# Altium PCB Final decision V5.PcbDoc (part 1 of 2) (continued)
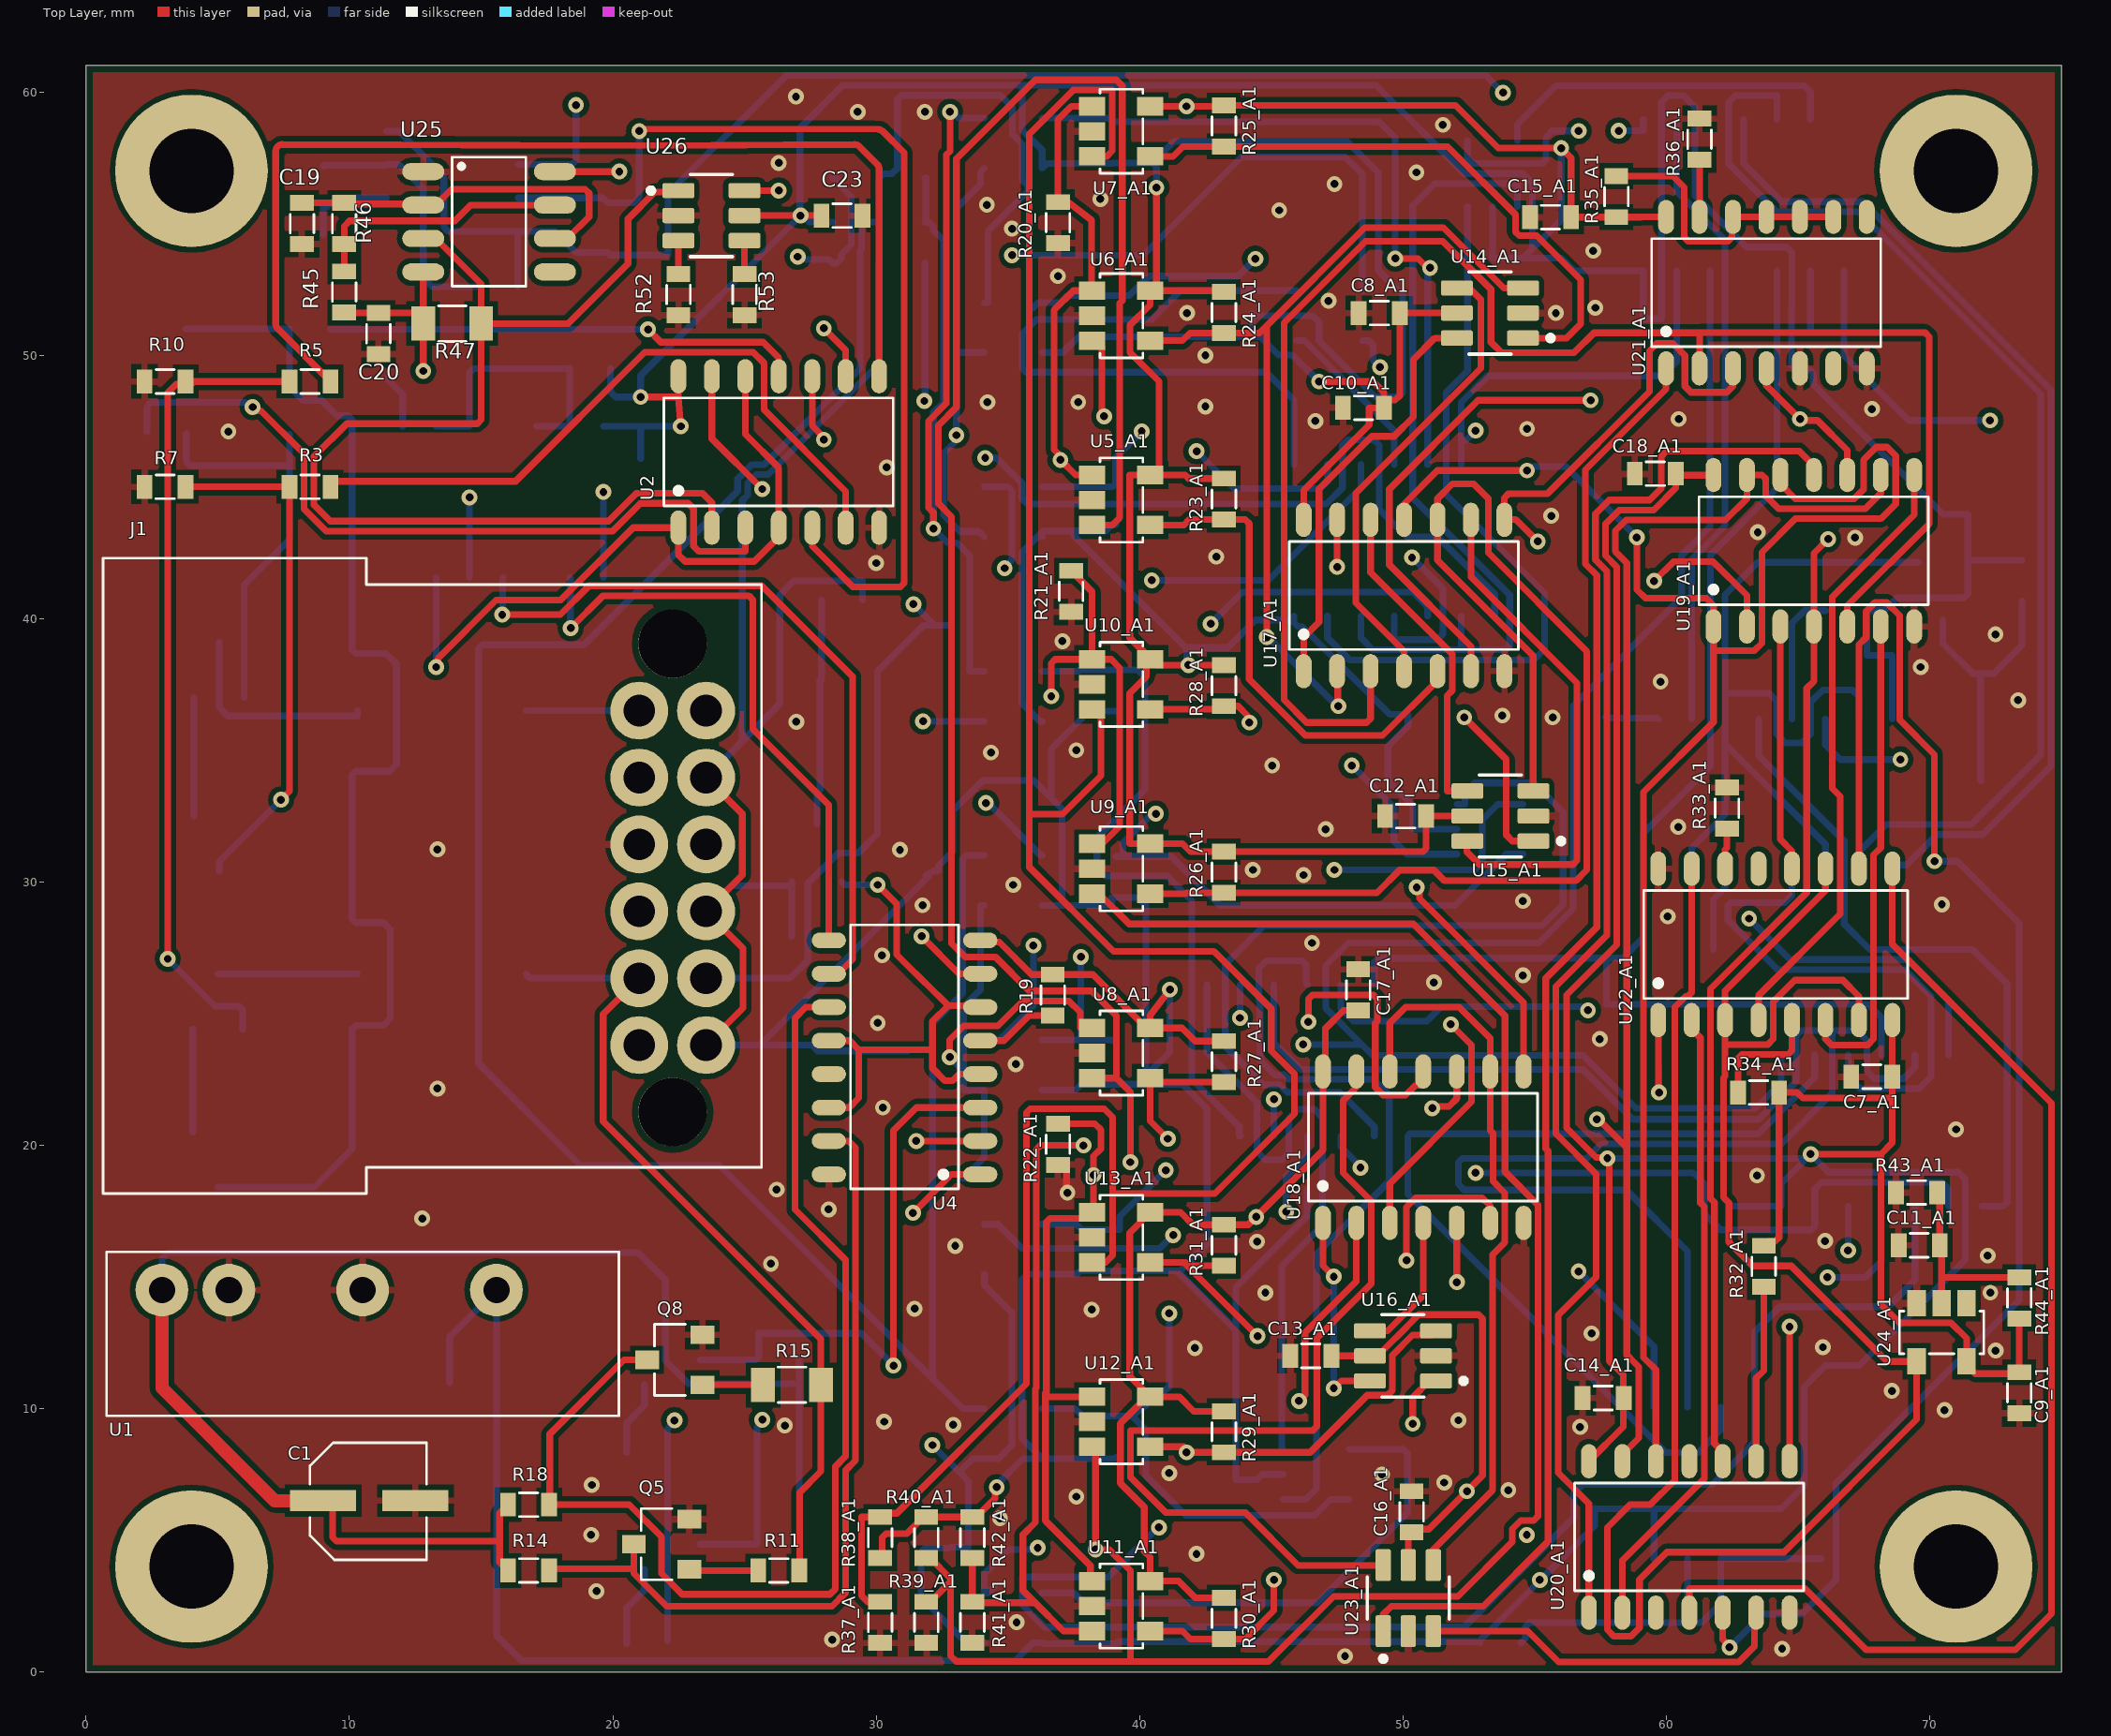
[diagram p0: Top Layer view]
## Part data
C1: library part "Cap Pol 4.7uF", "ECAP SMD,  35V, 105°C", Manufacturer=Epcos, Part Number=B41121A7475M000, ComponentLink1Description=Chip&Dip, ComponentLink1URL=https://www.chipdip.ru/product/b41121a7475m000, Type=Capacitor
C2 C3 C4 C6 C7_A1 C7_A2 C8_A1 C8_A2 C9_A1 C9_A2 C10_A1 C10_A2 C11_A1 C11_A2 C12_A1 C12_A2 C13_A1 C13_A2 C14_A1 C14_A2 C15_A1 C15_A2 C16_A1 C16_A2 C17_A1 C17_A2 C18_A1 C18_A2 C23 C24: library part "Cap 0.1uF (0603)", "0.1uF X7R 16V 10% 0603", Manufacturer="Murata Manufacturing", Part Number=GRM188R71C104KA01D, ComponentLink1Description=Chip&Dip, ComponentLink1URL=https://www.chipdip.ru/product/grm188r71c104ka01d, Type=Capacitor
C5 C19 C21: library part "Cap 4.7uF (0603)", "4.7uF X5R 25V 10% 0603", Manufacturer="Murata Manufacturing", Part Number=GRM188R61E475KE11D, ComponentLink1Description=Chip&Dip, ComponentLink1URL=https://www.chipdip.ru/product0/9000348448, Type=Capacitor
C20 C22: library part "Cap 10nF (0603)", "X7R 10nF 100V 10% 0603", Manufacturer="Murata Manufacturing", Part Number=GRM188R72A103KA01D, ComponentLink1Description=Chip&Dip, ComponentLink1URL=https://www.chipdip.ru/product/grm188r72a103ka01d, Type=Capacitor
D1 D2: library part "Diode (SMC)", "3A 50V, (DO-214AB/SMC)", Manufacturer="Yangzhou Yangjie Electronic Technology", Part Number=GS3A, ComponentLink1Description=DataSheet, ComponentLink1URL=https://static.chipdip.ru/lib/152/DOC001152906.pdf, ComponentLink2Description=Chip&Dip, ComponentLink2URL=https://www.chipdip.ru/product/gs3a, Type=Diode
J1: library part "Conn 12 [Stack64]", "Stac64 Right-Angle Header Assembly, 12 Circuits, Polarization A, Black, Tray / Current - Maximum per Contact 10.0A / Voltage - Maximum 500V", ComponentLink1Description=Molex, ComponentLink1URL=https://www.molex.com/molex/products/part-detail/pcb_headers/0346910120, ComponentLink2Description=DataSheet, ComponentLink2URL=https://www.molex.com/webdocs/datasheets/pdf/en-us/0346910120_PCB_HEADERS.pdf
Q1 Q2 Q3 Q4: "VDS 30V,  VGS Max ± 20V, RDS 27-40mΩ,", Manufacturer="Infineon Technologies", Part Number=IRLML0030TRPBF, ComponentLink1Description=DataSheet, ComponentLink1URL=https://static.chipdip.ru/lib/300/DOC000300382.pdf, ComponentLink2Description=Chip&Dip, ComponentLink2URL=https://www.chipdip.ru/product/irlml0030trpbf, Type=Transistor
Q5 Q6 Q7 Q8: library part "NPN [BC817]", "NPN general-purpose transistors", Manufacturer=Nexperia, Part Number=BC817-40,215, ComponentLink1Description=DataSheet, ComponentLink1URL=https://static.chipdip.ru/lib/156/DOC000156781.pdf, ComponentLink2Description=Chip&Dip, ComponentLink2URL=https://www.chipdip.ru/product/bc817-40, Type=Transistor
R1 R43_A1 R43_A2: library part "Res 1M (0603)", "0.1W 0603 1M, 1%", Manufacturer=Taiwan, Part Number=RC0603FR-071ML, ComponentLink1Description=Chip&Dip, ComponentLink1URL=https://www.chipdip.ru/product0/9000079784, Type=Resistor
R2 R44_A1 R44_A2: library part "Res 100k (0603)", "0.1W 0603 100k, 1%", Manufacturer=Taiwan, Part Number=RC0603FR-07100KL, ComponentLink1Description=Chip&Dip, ComponentLink1URL=https://www.chipdip.ru/product0/9000079760, Type=Resistor
R3 R4 R5 R6 R7 R8 R9 R10 R11 R12 R13 R19 R33_A1 R33_A2 R34_A1 R34_A2 R35_A1 R35_A2 R36_A1 R36_A2 R48_A1 R48_A2 R52 R53 R54 R55: library part "Res 10k (0603)", "0.1W 0603 10k, 1%", Manufacturer=Taiwan, Part Number=RC0603FR-0710KL, ComponentLink1Description=Chip&Dip, ComponentLink1URL=https://www.chipdip.ru/product0/9000079736, Type=Resistor
R14 R16 R17 R18 R20_A1 R20_A2 R21_A1 R21_A2 R22_A1 R22_A2 R32_A1 R32_A2 R38_A1 R38_A2: library part "Res 1k (0603)", "0.1W 0603 1k, 1%", Manufacturer=Taiwan, Part Number=RC0603FR-071KL, ComponentLink1Description=Chip&Dip, ComponentLink1URL=https://www.chipdip.ru/product0/9000079676, Type=Resistor
R15: library part "Res 10k (0805)", "0.125W 0805 10k, 1%", Manufacturer=Taiwan, Part Number=RC0805FR-0710KL, ComponentLink1Description=Chip&Dip, ComponentLink1URL=https://www.chipdip.ru/product0/9000079514, Type=Resistor
R23_A1 R23_A2 R24_A1 R24_A2 R25_A1 R25_A2 R26_A1 R26_A2 R27_A1 R27_A2 R28_A1 R28_A2 R29_A1 R29_A2 R30_A1 R30_A2 R31_A1 R31_A2 R39_A1 R39_A2 R42_A1 R42_A2: library part "Res 3k (0603)", "0.1W 0603 3k, 1%", Manufacturer=Taiwan, Part Number=RC0603FR-073KL, ComponentLink1Description=Chip&Dip, ComponentLink1URL=https://www.chipdip.ru/product0/9000079723, Type=Resistor
R37_A1 R37_A2: library part "Res 3.9k (0603)", "0.1W 0603 3.9k, 1%", Manufacturer=Taiwan, Part Number=RC0603FR-073K9L, ComponentLink1Description=Chip&Dip, ComponentLink1URL=https://www.chipdip.ru/product0/9000079726, Type=Resistor
R40_A1 R40_A2 R41_A1 R41_A2: library part "Res 2k (0603)", "0.1W 0603 2k, 1%", Manufacturer=Taiwan, Part Number=RC0603FR-072KL, ComponentLink1Description=Chip&Dip, ComponentLink1URL=https://www.chipdip.ru/product0/9000079719, Type=Resistor
R45 R49: library part "Res 4.7k (0603)", "0.1W 0603 4.7k, 1%", Manufacturer=Taiwan, Part Number=RC0603FR-074K7L, ComponentLink1Description=Chip&Dip, ComponentLink1URL=https://www.chipdip.ru/product0/9000079728, Type=Resistor
R46 R50: library part "Res 51k (0603)", "0.1W 0603 51k, 1%", Manufacturer=Taiwan, Part Number=RC0603FR-0751KL, ComponentLink1Description=Chip&Dip, ComponentLink1URL=https://www.chipdip.ru/product0/9000079753, Type=Resistor
R47 R51: library part "Res 24k (0805)", "0.125W 0805 24k, 1%", Manufacturer=Taiwan, Part Number=RC0805FR-0724KL, ComponentLink1Description=Chip&Dip, ComponentLink1URL=https://www.chipdip.ru/product0/9000079523, Type=Resistor
U1: library part "DC/DC Isolated 24V-5V [TMH]", "The TMH series are ultra miniature, isolated 2 Watt DC/DC-converters in a Single-in-Line  package  (SIP)", Manufacturer="Traco Power", Part Number=TMH2405S, ComponentLink1Description=Chip&Dip, ComponentLink1URL=https://www.chipdip.ru/product/tmh-2405s, ComponentLink2Description=DataSheet, ComponentLink2URL=https://static.chipdip.ru/lib/005/DOC001005854.pdf, Type=IC
U2 U17_A1 U17_A2 U18_A1 U18_A2: library part 4(2And), "4 logic elements \"2AND\"", Manufacturer="Texas Instruments", Part Number=SN74AC08DR, ComponentLink1Description=DataSheet, ComponentLink1URL=https://static.chipdip.ru/lib/551/DOC001551527.pdf, ComponentLink2Description=Chip&Dip, ComponentLink2URL=https://www.chipdip.ru/product/sn74ac08dr, Type=IC
U3 U24_A1 U24_A2: library part "Schmitt Trigger [NC7SZ]", "The NC7SZ14M5X is a single Inverter with Schmitt-trigger input from ultra-high speed (UHS) series of TinyLogic®. The device is fabricated with advanced CMOS technology to achieve ultra-high speed with high output drive while maintaining low static power dissipation over a very broad VCC operating range. The device is specified to operate over the 1.65 to 5.5V VCC range. The inputs and outputs are high-impedance when VCC is 0V. Inputs tolerate voltages up to 6V independent of VCC operating voltage.", Manufacturer="ON Semiconductor", Part Number=NC7SZ14M5X, ComponentLink1Description=DataSheet, ComponentLink1URL=https://static.chipdip.ru/lib/321/DOC000321280.pdf, ComponentLink2Description=Chip&Dip, ComponentLink2URL=https://www.chipdip.ru/product/nc7sz14m5x, Type=IC
U4 U22_A1 U22_A2: library part "4 RS triggers", "The HEF4043B is a quad R/S latch with 3-state outputs and common output enable input (OE).", ComponentLink1Description=Datasheet, ComponentLink1URL=https://static.chipdip.ru/lib/486/DOC014486419.pdf, ComponentLink2Description=CHIPDIP, ComponentLink2URL=https://www.chipdip.ru/product/hef4043bt-652-nexperia
U5_A1 U5_A2 U6_A1 U6_A2 U7_A1 U7_A2 U8_A1 U8_A2 U9_A1 U9_A2 U10_A1 U10_A2 U11_A1 U11_A2 U12_A1 U12_A2 U13_A1 U13_A2: library part "Comparator [LMV]", "Differential comparator with strobes", Manufacturer="Texas Instruments", Part Number=LMV331M5/NOPB, ComponentLink1Description=DataSheet, ComponentLink1URL=https://static.chipdip.ru/lib/291/DOC000291302.pdf, ComponentLink2Description=Chip&Dip, ComponentLink2URL=https://www.chipdip.ru/product/lmv331m5-nopb, Type=IC
U14_A1 U14_A2 U15_A1 U15_A2 U16_A1 U16_A2 U23_A1 U23_A2 U26: library part "Inverter (SN74)", "Dual inverter, 1.65-5.5V", Manufacturer="Texas Instruments", Part Number=SN74LVC2G04DBVR, ComponentLink1Description=Chip&Dip, ComponentLink1URL=https://www.chipdip.ru/product/sn74lvc2g04dbvr-2, ComponentLink2Description=DataSheet, ComponentLink2URL=https://static.chipdip.ru/lib/021/DOC001021810.pdf, Type=IC
U19_A1 U19_A2: library part 4(2XOR), "4 logic elements \"2XOR\"", Manufacturer=Nexperia, Part Number=74HC86D,653, ComponentLink1Description=Chip&Dip, ComponentLink1URL=https://www.chipdip.ru/product/74hc86d, ComponentLink2Description=DataSheet, ComponentLink2URL=https://ru.mouser.com/datasheet/2/916/74HC_HCT86-1319799.pdf, Type=IC
U20_A1 U20_A2 U28: library part 2(4AND), "2 logic elements \"4AND\"", Manufacturer=Nexperia, Part Number=74HC21D,653, ComponentLink1Description=Chip&Dip, ComponentLink1URL=https://www.chipdip.ru/product/74hc21d.653, ComponentLink2Description=DataSheet, ComponentLink2URL=https://static.chipdip.ru/lib/522/DOC011522559.pdf, Type=IC
U21_A1 U21_A2: library part 2(4NOR), "2 logic elements \"4NOR\"", Manufacturer=Nexperia, Part Number=74HC4002D,652, ComponentLink1Description=Chip&Dip, ComponentLink1URL=https://www.chipdip.ru/product/74hc4002d, ComponentLink2Description=DataSheet, ComponentLink2URL=https://static.chipdip.ru/lib/493/DOC011493188.pdf, Type=IC
U25 U27: "Standard Timer Single 8-Pin PDIP Tube", Case/Package=PDIP, Current Rating=10mA, Frequency=500kHz, High Level Output Current=-200mA, Low Level Output Current=200mA, Manufacturer="Texas Instruments", Max Operating Temperature=70°C, Max Supply Voltage=16V, Min Operating Temperature=0°C, Min Supply Voltage=4.5V, Nominal Supply Current=2mA, Operating Supply Voltage=5V, Package Quantity=50, Quiescent Current=15mA, Category="Clock and Timing", ComponentLink1Description=https://datasheet.ciiva.com/1139/sa555-1139904.pdf?src-supplier=Element14, ComponentLink1URL=https://datasheet.ciiva.com/1139/sa555-1139904.pdf?src-supplier=Element14, ComponentLink2Description=https://datasheet.ciiva.com/19457/904085-19457361.pdf?src-supplier=Jameco, ComponentLink2URL=https://datasheet.ciiva.com/19457/904085-19457361.pdf?src-supplier=Jameco, ComponentLink3Description=https://datasheet.ciiva.com/26325/152184-da-01-en-ne555p-timer-tid-26325915.pdf?src-supplier=Conrad, ComponentLink3URL=https://datasheet.ciiva.com/26325/152184-da-01-en-ne555p-timer-tid-26325915.pdf?src-supplier=Conrad, ComponentLink4Description=https://datasheet.ciiva.com/1147/1764032-1147750.pdf?src-supplier=Newark, ComponentLink4URL=https://datasheet.ciiva.com/1147/1764032-1147750.pdf?src-supplier=Newark, ComponentLink5Description=https://datasheet.ciiva.com/14094/ne555-series-eng-tds-14094950.pdf?src-supplier=Distrelec, ComponentLink5URL=https://datasheet.ciiva.com/14094/ne555-series-eng-tds-14094950.pdf?src-supplier=Distrelec, ComponentLink6Description=https://datasheet.ciiva.com/14274/ne555-14274456.pdf?src-supplier=Avnet, ComponentLink6URL=https://datasheet.ciiva.com/14274/ne555-14274456.pdf?src-supplier=Avnet, ComponentLink7Description=https://datasheet.ciiva.com/15152/getdatasheetpartid-248510-15152620.pdf?src-supplier=Verical, ComponentLink7URL=https://datasheet.ciiva.com/15152/getdatasheetpartid-248510-15152620.pdf?src-supplier=Verical, ComponentLink8Description=https://datasheet.ciiva.com/1233/ne555-1233454.pdf?src-supplier=Digi-Key, ComponentLink8URL=https://datasheet.ciiva.com/1233/ne555-1233454.pdf?src-supplier=Digi-Key, ComponentLink9Description=https://datasheet.ciiva.com/26228/ne555-26228892.pdf?src-supplier=Avnet+Europe, ComponentLink9URL=https://datasheet.ciiva.com/26228/ne555-26228892.pdf?src-supplier=Avnet+Europe, Contact Plating=Gold, Height=4.57mm, Lead Free="Lead Free", Length=9.81mm, Manufacturer Part Number=NE555P, Mount=SMD, Number of Pins=8, Number of Timers/Counters=1, Operating Supply Current=10mA, Packaging=Rail/Tube, Pricing 1="1=0,37000, 10=0,29900, 25=0,27360, 100=0,20350, 250=0,18444, 500=0,15264, 1000=0,11448, 2500=0,10494, 5000=0,10020 (USD)", Radiation Hardening=No, REACH SVHC="No SVHC", RoHS=Yes, RoHS Compliant=Yes, Supplier 1=Digi-Key, Weight=0.015535oz, Width=6.35mm

## Free pads (board coordinates)
  round 5.8 hole 3.2: A(4,4) A(4,57) A(71,4) A(71,57)

## Via types
v1: diameter 0.6, hole 0.3, Top Layer to Bottom Layer, tented both sides, 230 vias

## Nets (pads, with @x,y where several pads share a name; then routed paths per layer and width w, separated by ;. In a path a pad name is that pad's centre, name@x,y a point inside that pad or via, vN(x,y) a via of type N, cw(c..) or ccw(c..) an arc to the next point about the centre after c; other vN are vias at no path point)
2V_A1: R41_A1.2 R42_A1.1 U5_A1.3 U8_A1.3 U11_A1.3 | length 97.8
  Top Layer w0.254: R42_A1.1@33.65,4.32 R41_A1.2@33.65,2.66 33.683,2.627 36.032,2.627 ; v1(37.871,19.99) 36.228,19.99 36.079,19.841 36.079,10.782 36.043,10.746 36.043,5.679 35.568,5.204 35.568,3.09 36.032,2.627 ; U11_A1.3@38.2,1.55 37.109,1.55 36.032,2.627 ; U8_A1.3@38.2,22.55 39.116,22.55 ; U5_A1.3@38.2,43.55 38.97,43.55 39.245,43.825 39.245,51.978 39.343,52.075 39.343,60.228 39.119,60.452 36.043,60.452 33.045,57.455 33.045,48.021 32.365,47.341 32.365,44.362 32.861,43.866 32.861,27.667 33.376,27.153 34.519,27.153 35.814,25.857 38.176,25.857 39.116,24.917 39.116,22.55 ; v1(39.649,19.355) 39.649,22.017 39.116,22.55
  Layer 2 w0.254: v1(37.871,19.99) 39.014,19.99 v1(39.649,19.355)
2V_A2: R41_A2.2 R42_A2.1 U5_A2.3 U8_A2.3 U11_A2.3 | length 105.7
  Top Layer w0.254: v1(32.172,43.413) 32.172,44.019 31.986,44.205 31.986,47.498 32.666,48.178 32.666,57.612 32.8,57.745 v1(32.8,59.241)
  Layer 2 w0.254: v1(32.8,59.241) 41.123,50.918 41.123,39.862 39.954,38.693 39.954,25.324 41.732,23.546 41.732,17.043 v1(41.275,16.586)
  Bottom Layer w0.254: R42_A2.1@31.85,55.06 R42_A2.1@31.868,55.042 ; R41_A2.2@31.85,56.72 R41_A2.2@31.886,56.72 ; v1(32.172,43.413) 32.172,47.825 32.552,48.205 32.552,54.358 32.173,54.737 32.173,54.887 32.018,55.042 R42_A2.1@31.868,55.042 ; v1@32.221,43.397 32.221,43.364 32.715,42.87 33.076,42.87 33.553,42.393 ; v1(32.8,59.241) 32.881,59.241 33.122,59 U11_A2.3@34.1,59 ; U5_A2.3@34.1,17 34.613,17 35.535,16.078 40.767,16.078 v1(41.275,16.586) ; U8_A2.3@34.1,38 33.553,38 ; R42_A2.1@31.868,55.042 R42_A2.1@31.886,55.06 ; R42_A2.1@31.868,55.042 R42_A2.1@31.886,55.06 ; R42_A2.1@31.868,55.042 R42_A2.1@31.886,55.06 ; R42_A2.1@31.886,55.06 R41_A2.2@31.886,56.72 ; R42_A2.1@31.886,55.06 R41_A2.2@31.886,56.72 ; R42_A2.1@31.886,55.06 R41_A2.2@31.886,56.72 ; 33.553,38 33.553,42.393 ; 33.553,38 33.553,42.393 ; 33.553,38 33.553,42.393
3V_A1: R39_A1.2 R40_A1.1 U6_A1.3 U9_A1.3 U12_A1.3 | length 133.1
  Top Layer w0.254: R39_A1.2@31.9,2.66 32.05,2.66 32.403,3.013 32.827,3.437 ; R40_A1.1@31.9,4.32 32.05,4.32 32.827,3.543 32.827,3.437 ; U12_A1.3@38.2,8.55 U12_A1.3@38.329,8.55 ; U9_A1.3@38.2,29.55 38.456,29.55 39.606,28.4 50.391,28.4 53.873,24.917 53.873,18.988 55.132,17.729 55.132,5.919 54.965,5.752 54.471,5.752 54.148,5.429 54.148,4.935 52.081,2.868 47.369,2.868 44.901,0.4 39.648,0.4 ; U6_A1.3@38.2,50.55 38.35,50.55 38.573,50.327 38.573,47.847 38.651,47.769 v1(38.651,47.676) ; 32.827,3.437 32.827,0.611 33.038,0.4 39.648,0.4 ; v1(38.329,4.648) U12_A1.3@38.329,8.55 ; v1(38.329,4.648) U12_A1.3@38.329,8.55 ; v1(38.329,4.648) U12_A1.3@38.329,8.55 ; v1(38.329,4.648) 38.842,4.648 39.648,3.842 39.648,0.4
  Layer 2 w0.254: v1(38.329,4.648) 38.989,5.309 38.989,19.27 38.84,19.419 37.36,19.419 37.211,19.568 37.211,22.174 38.659,23.622 38.659,47.668 v1(38.651,47.676)
3V_A2: R39_A2.2 R40_A2.1 U6_A2.3 U9_A2.3 U12_A2.3 | length 110.5
  Bottom Layer w0.254: U6_A2.3@34.1,10 33.282,10 32.139,11.142 ; U9_A2.3@34.1,31 33.413,31 33.274,30.861 33.274,25.758 32.139,24.624 32.139,11.142 ; U12_A2.3@34.1,52 U12_A2.3@34.239,52 ; 32.139,11.142 24.054,19.228 18.771,19.228 14.9,23.098 14.9,38.851 15.049,39 18.901,39 24.739,44.838 24.739,45.302 25.284,45.848 25.749,45.848 29.388,49.486 29.388,53.975 29.439,54.026 29.439,55.06 R40_A2.1@30.1,55.06 R39_A2.2@30.1,56.72 30.273,56.893 30.601,56.893 30.802,57.094 30.802,59.716 30.951,59.865 34.722,59.865 35.169,59.418 35.169,58.389 35.548,58.01 35.548,56.646 35.757,56.436 35.757,56.226 34.239,54.708 ; U12_A2.3@34.239,52 34.239,54.708 ; U12_A2.3@34.239,52 34.239,54.708 ; U12_A2.3@34.239,52 34.239,54.708
4V_A1: R37_A1.2 R38_A1.2 U7_A1.3 U10_A1.3 U13_A1.3 | length 96.9
  Top Layer w0.254: R37_A1.2@30.15,2.66 29.674,2.66 29.439,2.896 29.439,5.88 R38_A1.2@30.15,5.88 30.295,6.025 30.786,6.025 35.7,10.939 35.7,21.238 35.849,21.387 38.656,21.387 38.981,21.062 38.981,18.161 ; U13_A1.3@38.2,15.55 38.71,15.55 38.981,15.821 38.981,18.161 ; U10_A1.3@38.2,36.55 38.31,36.55 38.533,36.327 38.533,34.033 37.069,32.569 35.816,32.569 ; U7_A1.3@38.2,57.55 38.754,57.55 38.964,57.76 38.964,60.071 37.49,60.071 35.816,58.397 35.816,32.569 ; 35.816,32.569 35.816,30.554 39.014,27.356 42.824,27.356 44.997,25.183 44.997,23.591 45.881,22.707 45.881,21.184 42.858,18.161 38.981,18.161
4V_A2: R37_A2.2 R38_A2.2 U7_A2.3 U10_A2.3 U13_A2.3 | length 75.6
  Layer 2 w0.254: v1(27.02,53.74) 27.027,53.746 30.505,53.746 37.668,46.584 37.668,43.815 35.763,41.91 v1(34.874,41.91) 34.874,37.152 35.966,36.059 v1(35.966,27.584) 35.966,4.971 36.13,4.807 v1(36.13,4.714)
  Bottom Layer w0.254: v1(27.02,53.74) 27.125,53.636 28.215,53.636 R38_A2.2@28.35,53.5 28.5,53.5 28.673,53.673 28.673,53.823 29.052,54.202 29.052,56.018 28.673,56.397 28.673,56.547 28.5,56.72 R37_A2.2@28.35,56.72 ; U10_A2.3@34.1,24 34.668,24 35.966,25.298 v1(35.966,27.584) ; U13_A2.3@34.1,45 35.007,45 35.156,44.851 35.156,42.232 34.874,41.95 v1(34.874,41.91) ; U7_A2.3@34.473,3.223 34.25,3 U7_A2.3@34.1,3 34.1,3.73 35.018,4.647 36.064,4.647 v1(36.13,4.714)
24V: C1.2 J1.12 R14.2 R16.2 R17.2 R18.2 U1.1 | length 80.7
  Top Layer w0.254: C1.2@9,6.5 9.086,6.5 9.359,6.227 9.359,5.11 9.508,4.961 15.675,4.961 15.685,4.951 ; R14.2@16.02,3.85 15.7,4.17 15.7,6.03 R18.2@16.02,6.35
  Top Layer w0.5: U1.1@2.88,14.5 2.88,10.783 7.163,6.5 C1.2@9,6.5
  Layer 1 w0.5: U1.1@2.88,14.5 12.18,23.8 J1.12@21,23.8
  Bottom Layer w0.254: U1.1@2.88,14.5 2.88,15.697 3.109,15.926 20.955,15.926 21.996,14.884 21.996,11.811 22.86,10.947 27.08,10.947 ; R16.2@27.08,4.892 27.08,10.947 ; R17.2@27.08,11.888 27.08,10.947
GND: C1.1 C2.1 C3.1 C4.1 C5.1 C6.1 C7_A1.1 C7_A2.1 C8_A1.1 C8_A2.1 C9_A1.1 C9_A2.1 C10_A1.1 C10_A2.1 C11_A1.1 C11_A2.1 C12_A1.1 C12_A2.1 C13_A1.1 C13_A2.1 C14_A1.1 C14_A2.1 C15_A1.1 C15_A2.1 C16_A1.2 C16_A2.2 C17_A1.1 C17_A2.1 C18_A1.1 C18_A2.1 C19.2 C20.1 C21.2 C22.1 C23.1 C24.1 J1.9 Q1.2 Q3.2 Q5.2 Q6.2 Q7.2 Q8.2 R1.1 R7.1 R8.1 R9.1 R10.1 R20_A1.1 R20_A2.1 R21_A1.1 R21_A2.1 R22_A1.1 R22_A2.1 R33_A1.2 R33_A2.2 R36_A1.2 R36_A2.2 R37_A1.1 R37_A2.1 R39_A1.1 R39_A2.1 R41_A1.1 R41_A2.1 R43_A1.1 R43_A2.1 R48_A1.2 R48_A2.2 R52.1 R53.2 R55.2 U1.2 U1.4 U2.7 U3.3 U4.16 U5_A1.2 U5_A2.2 U6_A1.2 U6_A2.2 U7_A1.2 U7_A2.2 U8_A1.2 U8_A2.2 U9_A1.2 U9_A2.2 U10_A1.2 U10_A2.2 U11_A1.2 U11_A2.2 U12_A1.2 U12_A2.2 U13_A1.2 U13_A2.2 U14_A1.2 U14_A2.2 U15_A1.2 U15_A2.2 U16_A1.2 U16_A2.2 U17_A1.7 U17_A2.7 U18_A1.7 U18_A2.7 U19_A1.7 U19_A2.7 U20_A1.7 U20_A2.7 U21_A1.5 U21_A1.7 U21_A2.5 U21_A2.7 U22_A1.16 U22_A2.16 U23_A1.2 U23_A2.2 U24_A1.3 U24_A2.3 U25.1 U26.2 U27.1 U28.7 | length 1.3
  Top Layer w0.254: R22_A1.1@36.9,19.252 37.05,19.252 37.223,19.08 37.223,18.236 v1(37.261,18.198)
  other v1: 47.8,0.6 64.395,0.879 28.323,1.227 35.33,1.883 19.38,3.067 42.162,4.484 19.175,5.208 54.7,5.2 34.7,5.835 37.6,6.655 54,6.9 19.2,7.1 51.566,7.188 49.2,7.5 41.123,7.55 56.727,9.3 26.528,9.357 32.927,9.378 30.3,9.5 52.105,9.555 70.562,9.942 68.561,10.673 72.5,12.2 42.1,12.3 65.943,12.329 57.16,12.853 38.182,13.756 31.457,13.791 44.775,14.398 72.3,14.4 26,15.5 72.2,15.807 33,16.177 44.46,16.34 66.03,16.362 12.761,17.217 28.191,17.562 26.219,18.317 63.444,18.85 71,20.6 30.251,21.43 13.342,22.15 35.3,23.075 57.469,24.03 30.055,24.642 51.173,26.18 54.555,26.45 30.222,27.211 46.546,27.679 60.051,28.683 31.759,29.111 70.46,29.141 54.555,29.273 35.2,29.887 46.223,30.26 44.3,30.455 30.9,31.217 13.342,31.233 47.067,32 60.45,32.087 45.034,34.417 34.354,34.912 37.6,35 26.967,36.078 55.684,36.246 53.772,36.315 73.355,36.895 59.778,37.601 69.654,38.157 37.069,39.141 72.499,39.396 30,42.105 42.911,42.347 67.167,43.073 63.471,43.273 55.628,43.9 30.4,45.741 5.4,47.1 54.712,47.2 46.674,47.5 60.47,47.574 67.805,47.956 42.498,48.053 34.226,48.218 37.668,48.218 42.498,49.987 41.803,51.6 55.804,51.6 57.3,51.8 47.173,52.065 36.9,53 57.223,53.96 35.156,54.803 45.3,55.5 34.199,55.71 38.51,55.93 47.4,56.5 50.512,56.941 26.3,57.3 51.511,58.747 29.293,59.241 31.85,59.241 26.952,59.819
GREEN_1: U2.10 U18_A1.8 | length 42.6
  Top Layer w0.254: U2.10@27.57,49.2 27.57,47.315 28.011,46.875 v1(28.011,46.792) ; v1(50.521,29.794) 50.625,29.69 50.625,29.365 54.58,25.41 U18_A1.8@54.58,22.8
  Layer 1 w0.254: v1(28.011,46.792) 41.148,33.655 49.682,33.655 50.521,32.817 v1(50.521,29.794)
GREEN_2: U2.13 U18_A2.8 | length 41.1
  Top Layer w0.254: U2.13@23.76,49.2 23.76,46.827 v1(25.67,44.917)
  Layer 2 w0.254: v1(25.67,44.917) 32.953,44.917 v1(34.138,46.101)
  Bottom Layer w0.254: v1(34.138,46.101) 34.569,46.101 35.535,45.136 35.535,44.552 35.738,44.348 47.092,44.348 47.701,44.958 47.701,46.584 47.904,46.787 48.895,46.787 49.098,46.584 49.098,44.145 50.146,43.097 51.312,43.097 53.48,40.929 U18_A2.8@53.48,40.1
GREEN_LED_1: R5.2 U2.8 | length 41.5
  Top Layer w0.254: R5.2@9.28,49 7.274,51.006 cw(c7.454,51.185) 7.2,51.185 7.2,57.746 cw(c7.454,57.746) 7.455,58 20.999,57.958 ccw(c21,58.51) 21.001,57.958 29.179,57.998 cw(c29.18,57.744) 29.358,57.925 30.035,57.249 ; U2.8@30.11,49.2 30.11,57.068 ; 30.036,57.248 cw(c29.855,57.069) 30.073,57.2 ; 30.036,57.248 cw(c29.855,57.069) 30.073,57.2 ; 30.036,57.248 cw(c29.855,57.069) 30.073,57.2 ; 30.036,57.248 cw(c29.855,57.069) 30.073,57.2 ; 30.073,57.2 cw(c29.856,57.068) 30.11,57.069 ; 30.073,57.2 cw(c29.856,57.068) 30.11,57.069 ; 30.073,57.2 cw(c29.856,57.068) 30.11,57.069 ; 30.073,57.2 cw(c29.856,57.068) 30.11,57.069
GREEN_LED_2: R4.2 U2.11 | length 42.3
  Top Layer w0.254: v1(21.336,50.978) 21.821,50.493 25.705,50.493 26.3,49.898 U2.11@26.3,49.2
  Bottom Layer w0.254: R4.2@9.28,50.978 v1(21.336,50.978) ; R4.2@9.28,50.978 v1(21.336,50.978) ; R4.2@9.28,50.978 v1(21.336,50.978)
Green_On1_A1: U17_A1.6 U19_A1.4 U20_A1.10 | length 68.3
  Top Layer w0.254: U17_A1.6@52.58,38 52.58,38.941 49.479,42.042 49.479,44.911 52.854,48.285 v1(57.125,48.285) ; U20_A1.10@62.14,8 62.14,8.356 61.824,8.672 61.824,17.823 61.671,17.976 61.671,25.933 65.329,29.591 65.329,37.346 65.6,37.617 U19_A1.4@65.6,39.7 65.6,42.478 v1(66.142,43.019)
  Layer 1 w0.254: v1(57.125,48.285) 65.659,48.285 66.142,47.803 v1(66.142,43.019)
Green_On1_A2: U17_A2.6 U19_A2.4 U20_A2.10 | length 52.7
  Bottom Layer w0.254: U17_A2.6@48.91,26.1 48.91,26.953 49.059,27.102 58.344,27.102 59.131,27.889 59.131,31.852 61.671,34.392 61.671,42.418 64.2,44.947 U20_A2.10@64.2,53.2 ; 57.72,27.076 57.72,25.346 67.666,25.346 68.17,24.841 U19_A2.4@68.17,23.435
Green_On2_A1: U17_A1.11 U19_A1.1 U19_A1.12 U20_A1.12 | length 69.7
  Top Layer w0.254: U17_A1.11@50.04,43.75 50.04,44.35 51.308,45.618 v1(54.712,45.618) ; v1(58.877,43.078) 58.877,41.097 59.207,40.767 61.511,40.767 61.79,40.488 U19_A1.1@61.79,39.7 61.79,39.457 61.79,38.786 ; U20_A1.12@59.6,8 59.6,11.472 59.131,11.941 59.131,33.409 61.79,36.068 61.79,38.786 ; U19_A1.12@64.33,45.45 64.33,45.11 64.892,44.548 67.129,44.548 67.488,44.907 67.488,46.025 67.97,46.507 68.377,46.507 68.707,46.177 68.707,44.348 68.149,43.79 64.897,43.79 63.627,42.52 63.627,39.065 63.348,38.786 61.79,38.786
  Bottom Layer w0.254: v1(54.712,45.618) 54.864,45.771 56.185,45.771 v1(58.877,43.078)
Green_On2_A2: U17_A2.11 U19_A2.1 U19_A2.12 U20_A2.12 | length 97.2
  Layer 1 w0.254: v1(45.568,17.475) 45.568,15.629 47.396,13.8 52.943,13.8 54.902,15.759 66.578,15.759 66.821,16.002 v1(66.9,16.002)
  Layer 2 w0.254: v1(45.568,17.475) 46.211,18.118 v1(46.211,23.825)
  Bottom Layer w0.254: v1(45.568,17.475) 45.568,18.815 46.37,19.617 U17_A2.11@46.37,20.35 ; v1(46.211,23.825) 48.438,23.825 ; U20_A2.12@61.66,53.2 61.66,43.479 60.581,42.4 60.581,40.804 56.46,36.683 56.46,28.977 55.161,27.679 47.923,27.679 47.066,26.822 47.066,25.197 48.438,23.825 ; U19_A2.1@64.36,23.435 64.36,22.379 63.381,21.4 58.845,21.4 56.828,23.417 48.846,23.417 48.438,23.825 ; v1(66.9,16.002) U19_A2.12@66.9,17.685
Green_On3_A1: U18_A1.6 U19_A1.9 U19_A1.13 U20_A1.13 | length 66.4
  Top Layer w0.254: v1(50.132,15.625) 50.132,17.646 50.495,18.009 53.005,18.009 53.31,17.704 U18_A1.6@53.31,17.05 ; v1(57.367,20.983) 57.426,20.983 58.445,19.964 ; U20_A1.13@58.33,8 58.33,8.256 58.953,8.88 58.953,11.582 58.779,11.757 58.498,12.038 58.498,42.111 58.064,42.545 58.064,43.332 58.471,43.739 62.247,43.739 63.06,44.552 U19_A1.13@63.06,45.45 63.629,45.45 63.778,45.301 63.778,44.655 64.264,44.169 67.554,44.169 68.14,44.755 U19_A1.9@68.14,45.45
  Layer 1 w0.254: v1(50.132,15.625) 52.009,15.625 v1(57.367,20.983)
Green_On3_A2: U18_A2.6 U19_A2.9 U19_A2.13 U20_A2.13 | length 65.5
  Layer 2 w0.254: v1(52.756,18.948) 52.822,19.015 52.822,19.216 52.876,19.27 52.876,46.92 52.756,47.04 v1(52.756,47.133)
  Bottom Layer w0.254: U18_A2.6@52.21,45.85 52.21,46.761 ; v1(52.756,18.948) 61.036,18.948 61.443,18.542 61.443,17.399 62.059,16.783 65.497,16.783 65.63,16.916 U19_A2.13@65.63,17.685 65.63,18.339 65.884,18.593 70.456,18.593 70.71,18.339 U19_A2.9@70.71,17.685 ; v1(52.756,47.133) 52.384,46.761 52.21,46.761 ; U20_A2.13@60.39,53.2 60.39,49.762 59.842,49.214 53.215,49.214 52.21,48.209 52.21,46.761
LED_Strip_GREEN: D1.1 J1.11 R11.2 R15.2 | length 40.3
  Top Layer w0.254: J1.11@21,26.34 19.634,24.974 19.634,20.904 27.9,12.638 R15.2@27.9,10.9 27.9,7.612 27.092,6.804 ; R11.2@27.092,3.85 27.092,6.804 ; R11.2@27.092,3.764 27.092,6.804 ; R11.2@27.092,3.764 27.092,6.804 ; R11.2@27.092,3.764 27.092,6.804
  Bottom Layer w0.254: D1.1@16.7,26.5 16.86,26.34 J1.11@21,26.34
LED_Strip_RED: D2.1 J1.7 R12.2 R13.2 | length 41.4
  Layer 2 w0.254: J1.7@21,36.5 19.634,35.134 19.634,21.438 22.339,18.733 v1(22.339,9.552)
  Bottom Layer w0.254: D2.1@16.7,36.5 J1.7@21,36.5 ; R12.2@22.08,1.187 22.08,9.23 22.339,9.489 v1(22.339,9.552)
NetC2_2: C2.2 R1.2 R2.1 U3.2 | length 8.6
  Bottom Layer w0.254: U3.2@27.75,32.2 27.75,33.376 27.87,33.496 R1.2@27.87,34.7 27.87,37.65 C2.2@27.92,37.7 R2.1@27.92,40.7
NetC11_A1_2: C11_A1.2 R43_A1.2 R44_A1.1 U24_A1.2 | length 7.2
  Top Layer w0.254: R43_A1.2@70.28,18.2 70.38,18.1 C11_A1.2@70.38,16.2 70.45,16.13 70.45,14.98 ; U24_A1.2@70.45,14 70.45,14.98 ; R44_A1.1@73.4,14.98 70.45,14.98
NetC11_A2_2: C11_A2.2 R43_A2.2 R44_A2.1 U24_A2.2 | length 10.4
  Bottom Layer w0.254: U24_A2.2@70.5,39.935 70.5,39.05 71.637,37.914 71.826,37.914 ; R43_A2.2@71.951,33.843 71.93,33.864 C11_A2.2@71.93,35.935 71.93,37.914 72.432,37.914 73.5,38.981 R44_A2.1@73.5,40.655
NetC19_1: C19.1 R46.2 U25.2 U25.6 | length 20.7
  Top Layer w0.254: C19.1@8.2,55.78 R46.2@9.8,55.78 R46.2@9.84,55.74 ; U25.6@17.8,54.43 18.275,54.43 19.1,55.255 19.1,56.151 18.951,56.3 13.875,56.3 U25.2@13.315,55.74 ; R46.2@9.84,55.74 U25.2@13.315,55.74 ; R46.2@9.84,55.74 U25.2@13.315,55.74 ; R46.2@9.84,55.74 U25.2@13.315,55.74
NetC21_1: C21.1 R50.2 U27.6 | length 3.6
  Bottom Layer w0.254: C21.1@9,54.58 R50.2@9,55.62 9.15,55.62 9.5,55.97 U27.6@11.4,55.97
NetD1_2: D1.2 Q2.3 | length 5.3
  Bottom Layer w0.254: Q2.3@5,26.5 D1.2@10.3,26.5
NetD2_2: D2.2 Q4.3 | length 17.9
  Bottom Layer w0.254: Q4.3@5.05,39.1 5.05,36.627 5.38,36.297 ; D2.2@10.3,36.5 D2.2@10.3,36.297 ; 5.38,36.297 D2.2@10.3,36.297 ; 5.38,36.297 D2.2@10.3,36.297 ; 5.38,36.297 D2.2@10.3,36.297
NetQ1_1: Q1.1 R4.1 R9.2 | length 55
  Bottom Layer w0.254: R9.2@3.78,51 R4.1@7.72,51 7.72,48.9 ccw(c7.974,48.9) 7.794,48.721 8.23,48.285 8.942,48.285 9.525,47.702 9.949,47.702 10.098,47.553 10.098,38.815 10.247,38.667 11.391,38.667 11.788,38.27 11.788,34.465 11.523,34.2 10.247,34.2 10.098,34.051 10.098,28.601 10.247,28.452 11.287,28.452 11.552,28.187 11.552,24.813 11.287,24.548 10.247,24.548 10.098,24.399 10.098,19.852 8.661,18.415 ; Q1.1@5,18.4 Q1.1@5,18.415 ; Q1.1@5,18.415 8.661,18.415 ; Q1.1@5,18.415 8.661,18.415 ; Q1.1@5,18.415 8.661,18.415
NetQ1_3: Q1.3 Q2.2 | length 3.9
  Bottom Layer w0.254: Q1.3@4.05,20.5 Q2.2@4.05,24.4
NetQ2_1: Q2.1 R5.1 R10.2 | length 31.8
  Top Layer w0.254: v1(3.099,27.076) 3.099,48.573 3.418,48.892 ; R5.1@7.72,49 4.1,49 R10.2@3.992,48.892 ; 3.418,48.892 R10.2@3.992,48.892 ; 3.418,48.892 R10.2@3.992,48.892 ; 3.418,48.892 R10.2@3.992,48.892
  Bottom Layer w0.254: v1(3.099,27.076) 4.899,25.276 5.801,25.276 5.95,25.127 Q2.1@5.95,24.4
NetQ3_1: Q3.1 R3.1 R7.2 | length 27.2
  Top Layer w0.254: R7.2@3.78,45 R3.1@7.72,45 7.72,33.443 7.4,33.123 v1(7.4,33.122)
  Bottom Layer w0.254: Q3.1@5.05,30.4 Q3.1@5.05,30.668 ; Q3.1@5.05,30.4 Q3.1@5.05,30.668 ; Q3.1@5.05,30.4 Q3.1@5.05,30.668 ; Q3.1@5.05,30.668 cw(c5.304,30.666) Q3.1@5.124,30.845 ; Q3.1@5.05,30.668 cw(c5.304,30.666) Q3.1@5.124,30.845 ; Q3.1@5.05,30.668 cw(c5.304,30.666) Q3.1@5.124,30.845 ; Q3.1@5.05,30.668 cw(c5.304,30.666) Q3.1@5.124,30.845 ; Q3.1@5.124,30.845 v1(7.4,33.122) ; Q3.1@5.124,30.845 v1(7.4,33.122) ; Q3.1@5.124,30.845 v1(7.4,33.122)
NetQ3_3: Q3.3 Q4.2 | length 4.5
  Bottom Layer w0.254: Q3.3@4.1,32.5 Q4.2@4.1,37
NetQ4_1: Q4.1 R6.1 R8.2 | length 18.8
  Bottom Layer w0.254: Q4.1@6,37 6,41.275 7.646,42.921 ccw(c7.466,43.1) 7.72,43.1 7.72,45.8 ; R8.2@7.72,47 7.72,45.8 ; 3.8,46.053 ccw(c4.054,46.054) 4.053,45.8 ; 3.8,46.053 ccw(c4.054,46.054) 4.053,45.8 ; 3.8,46.053 ccw(c4.054,46.054) 4.053,45.8 ; 3.8,46.053 ccw(c4.054,46.054) 4.053,45.8 ; 3.8,46.053 R6.1@3.8,47.009 ; 3.8,46.053 R6.1@3.8,47.009 ; 3.8,46.053 R6.1@3.8,47.009 ; 4.053,45.8 7.72,45.8
NetQ5_1: Q5.1 R11.1 | length 2.6
  Top Layer w0.254: Q5.1@22.9,3.9 22.95,3.85 R11.1@25.52,3.85
NetQ5_3: Q5.3 R14.1 U4.15 | length 37.9
  Top Layer w0.254: Q5.3@20.689,4.739 Q5.3@20.8,4.85 20.8,4.268 20.8,3.91 ; U4.15@28.2,20.16 28.956,20.16 29.21,19.906 29.21,8.022 28.831,7.643 28.831,2.997 28.323,2.489 22.047,2.489 20.8,3.736 20.8,3.91 ; R14.1@17.58,3.91 20.8,3.91 ; R14.1@17.58,3.91 20.8,3.91 ; R14.1@17.58,3.91 20.8,3.91
NetQ6_1: Q6.1 R12.1 | length 3.1
  Bottom Layer w0.254: R12.1@20.52,1.076 20.52,2.428 21.2,3.108 Q6.1@21.2,3.9
NetQ6_3: Q6.3 R16.1 U4.7 | length 39.5
  Top Layer w0.254: v1(31.725,27.932) 33.147,26.51 U4.7@33.95,26.51
  Layer 2 w0.254: v1(25.673,9.576) 26.9,10.901 26.9,23.108 v1(31.725,27.932)
  Bottom Layer w0.254: Q6.3@23.3,4.85 R16.1@25.478,4.85 ; v1(25.673,9.576) 25.673,9.482 25.478,9.287 ; R16.1@25.478,4.85 25.478,9.287 ; R16.1@25.478,4.85 25.478,9.287 ; R16.1@25.478,4.85 25.478,9.287
NetQ7_1: Q7.1 R13.1 | length 2.8
  Bottom Layer w0.254: R13.1@20.52,8.35 20.52,9.439 21.2,10.119 Q7.1@21.2,10.9
NetQ7_3: Q7.3 R17.1 U4.3 | length 21.7
  Top Layer w0.254: v1(30.658,11.633) 30.658,20.566 31.521,21.43 U4.3@33.95,21.43
  Bottom Layer w0.254: Q7.3@23.3,11.85 R17.1@25.425,11.85 ; v1(30.658,11.633) 29.439,12.852 25.537,12.852 R17.1@25.537,11.962 ; R17.1@25.425,11.85 R17.1@25.537,11.962 ; R17.1@25.425,11.85 R17.1@25.537,11.962 ; R17.1@25.425,11.85 R17.1@25.537,11.962
NetQ8_1: Q8.1 R15.1 | length 2.3
  Top Layer w0.254: Q8.1@23.4,10.9 R15.1@25.7,10.9
NetQ8_3: Q8.3 R18.1 U4.11 | length 50.1
  Top Layer w0.254: Q8.3@21.3,11.85 20.422,11.85 17.602,9.031 ; U4.11@28.2,25.24 27.33,25.24 26.919,24.829 26.919,17.556 28.831,15.644 28.831,8.179 28.452,7.8 28.452,3.154 28.244,2.946 22.631,2.946 21.844,3.734 21.844,5.131 20.625,6.35 R18.1@17.602,6.35 ; R18.1@17.602,6.35 17.602,9.031 ; R18.1@17.602,6.35 17.602,9.031 ; R18.1@17.602,6.35 17.602,9.031
NetR19_2: R19.2 U4.5 | length 3.1
  Top Layer w0.254: U4.5@33.95,23.97 34.849,23.97 35.799,24.92 R19.2@36.7,24.92
NetR23_A1_1: R23_A1.1 U5_A1.4 U17_A1.5 | length 19.1
  Top Layer w0.254: U5_A1.4@40.4,43.55 41.681,43.55 41.886,43.755 44.013,43.755 44.162,43.606 44.162,37.695 46.298,35.558 49.225,35.558 51.31,37.643 U17_A1.5@51.31,38
NetR23_A2_1: R23_A2.1 U5_A2.4 U17_A2.5 | length 37
  Layer 1 w0.254: v1(40.996,19.05) 45.949,19.05 46.787,18.212 50.114,18.212 v1(57.023,25.121)
  Bottom Layer w0.254: U5_A2.4@36.3,17 37.592,17 37.797,16.795 R23_A2.1@39.1,16.795 R23_A2.1@39.243,16.795 ; v1(40.996,19.05) 39.243,17.297 ; U17_A2.5@47.64,26.1 47.64,25.197 48.123,24.714 50.902,24.714 51.453,25.265 56.784,25.265 56.929,25.121 v1(57.023,25.121) ; R23_A2.1@39.243,16.795 39.243,17.297 ; R23_A2.1@39.243,16.795 39.243,17.297 ; R23_A2.1@39.243,16.795 39.243,17.297
NetR24_A1_1: R24_A1.1 U6_A1.4 U14_A1.3 U17_A1.2 | length 33.9
  Top Layer w0.254: U6_A1.4@40.4,50.55 41.631,50.55 41.919,50.839 R24_A1.1@43.2,50.839 44.552,50.839 44.831,51.118 ; v1(44.831,39.294) 44.831,51.118 ; U17_A1.2@47.5,38 47.524,37.977 47.524,36.695 v1(47.547,36.671) ; U14_A1.3@54.555,52.55 53.828,52.55 51.539,54.839 48.551,54.839 44.831,51.118
  Bottom Layer w0.254: v1(44.831,39.294) 44.878,39.294 47.5,36.671 v1(47.547,36.671)
NetR24_A2_1: R24_A2.1 U6_A2.4 U14_A2.3 U17_A2.2 | length 44.1
  Layer 1 w0.254: v1(41.123,13.614) 38.989,15.748 38.989,20.146 37.109,22.025 37.109,27.517 37.397,27.805 40.84,27.805 v1(43.809,24.835)
  Bottom Layer w0.254: U6_A2.4@36.3,10 37.541,10 37.83,9.711 R24_A2.1@39.1,9.711 39.717,9.711 ; v1(41.123,13.614) 41.123,10.82 39.717,9.711 ; v1(43.809,24.835) 43.82,24.845 43.82,26.09 U17_A2.2@43.83,26.1 ; U14_A2.3@47.955,6.55 47.244,6.55 46.638,5.944 41.756,5.944 40.234,7.466 40.234,9.195 39.717,9.711
NetR25_A1_1: R25_A1.1 U7_A1.4 U14_A1.1 | length 23.1
  Top Layer w0.254: U7_A1.4@40.4,57.55 41.275,57.55 41.648,57.923 R25_A1.1@43.2,57.923 51.691,57.923 54.268,55.346 54.268,54.686 54.416,54.538 55.076,54.538 56.748,52.866 56.748,51.184 56.214,50.65 U14_A1.1@54.555,50.65
NetR25_A2_1: R25_A2.1 U7_A2.4 U14_A2.1 | length 20
  Bottom Layer w0.254: U7_A2.4@36.3,3 37.49,3 37.863,2.628 R25_A2.1@39.1,2.628 46.747,2.628 50.173,6.053 50.173,8.301 50.024,8.45 U14_A2.1@47.955,8.45
NetR26_A1_1: R26_A1.1 U9_A1.4 U15_A1.3 U17_A1.10 | length 58.2
  Top Layer w0.254: U9_A1.4@40.4,29.55 41.758,29.55 41.795,29.587 R26_A1.1@43.2,29.587 49.01,29.587 49.869,30.446 51.173,30.446 51.579,30.04 56.568,30.04 56.982,30.454 56.982,38.75 53.238,42.494 53.238,44.552 52.68,45.11 51.869,45.11 51.31,44.552 U17_A1.10@51.31,43.75 51.31,42.213 54.94,38.583 ; U15_A1.3@54.955,33.45 U15_A1.3@54.94,33.45 ; U15_A1.3@54.94,33.45 54.94,38.583 ; U15_A1.3@54.94,33.45 54.94,38.583 ; U15_A1.3@54.94,33.45 54.94,38.583
NetR26_A2_1: R26_A2.1 U9_A2.4 U15_A2.3 U17_A2.10 | length 51.2
  Layer 1 w0.254: v1(34.163,32.995) 34.569,32.588 v1(40.615,32.588) 47.755,32.588 48.387,31.956 v1(48.387,19.143)
  Bottom Layer w0.254: v1(34.163,32.995) 34.251,32.995 36.246,31 U9_A2.4@36.3,31 ; R26_A2.1@39.1,30.962 R26_A2.1@39.243,30.962 ; v1(40.615,32.588) 40.548,32.522 40.409,32.522 39.365,31.478 39.365,31.085 R26_A2.1@39.243,30.962 ; U17_A2.10@47.64,20.35 47.64,19.945 48.387,19.198 v1(48.387,19.143) ; U15_A2.3@54.555,31.05 53.924,31.05 51.983,29.108 43.056,29.108 41.202,30.962 R26_A2.1@39.243,30.962